# Altium PCB ATM1099C-0627-ssy-5.PcbDoc (part 3 of 4) (continued)
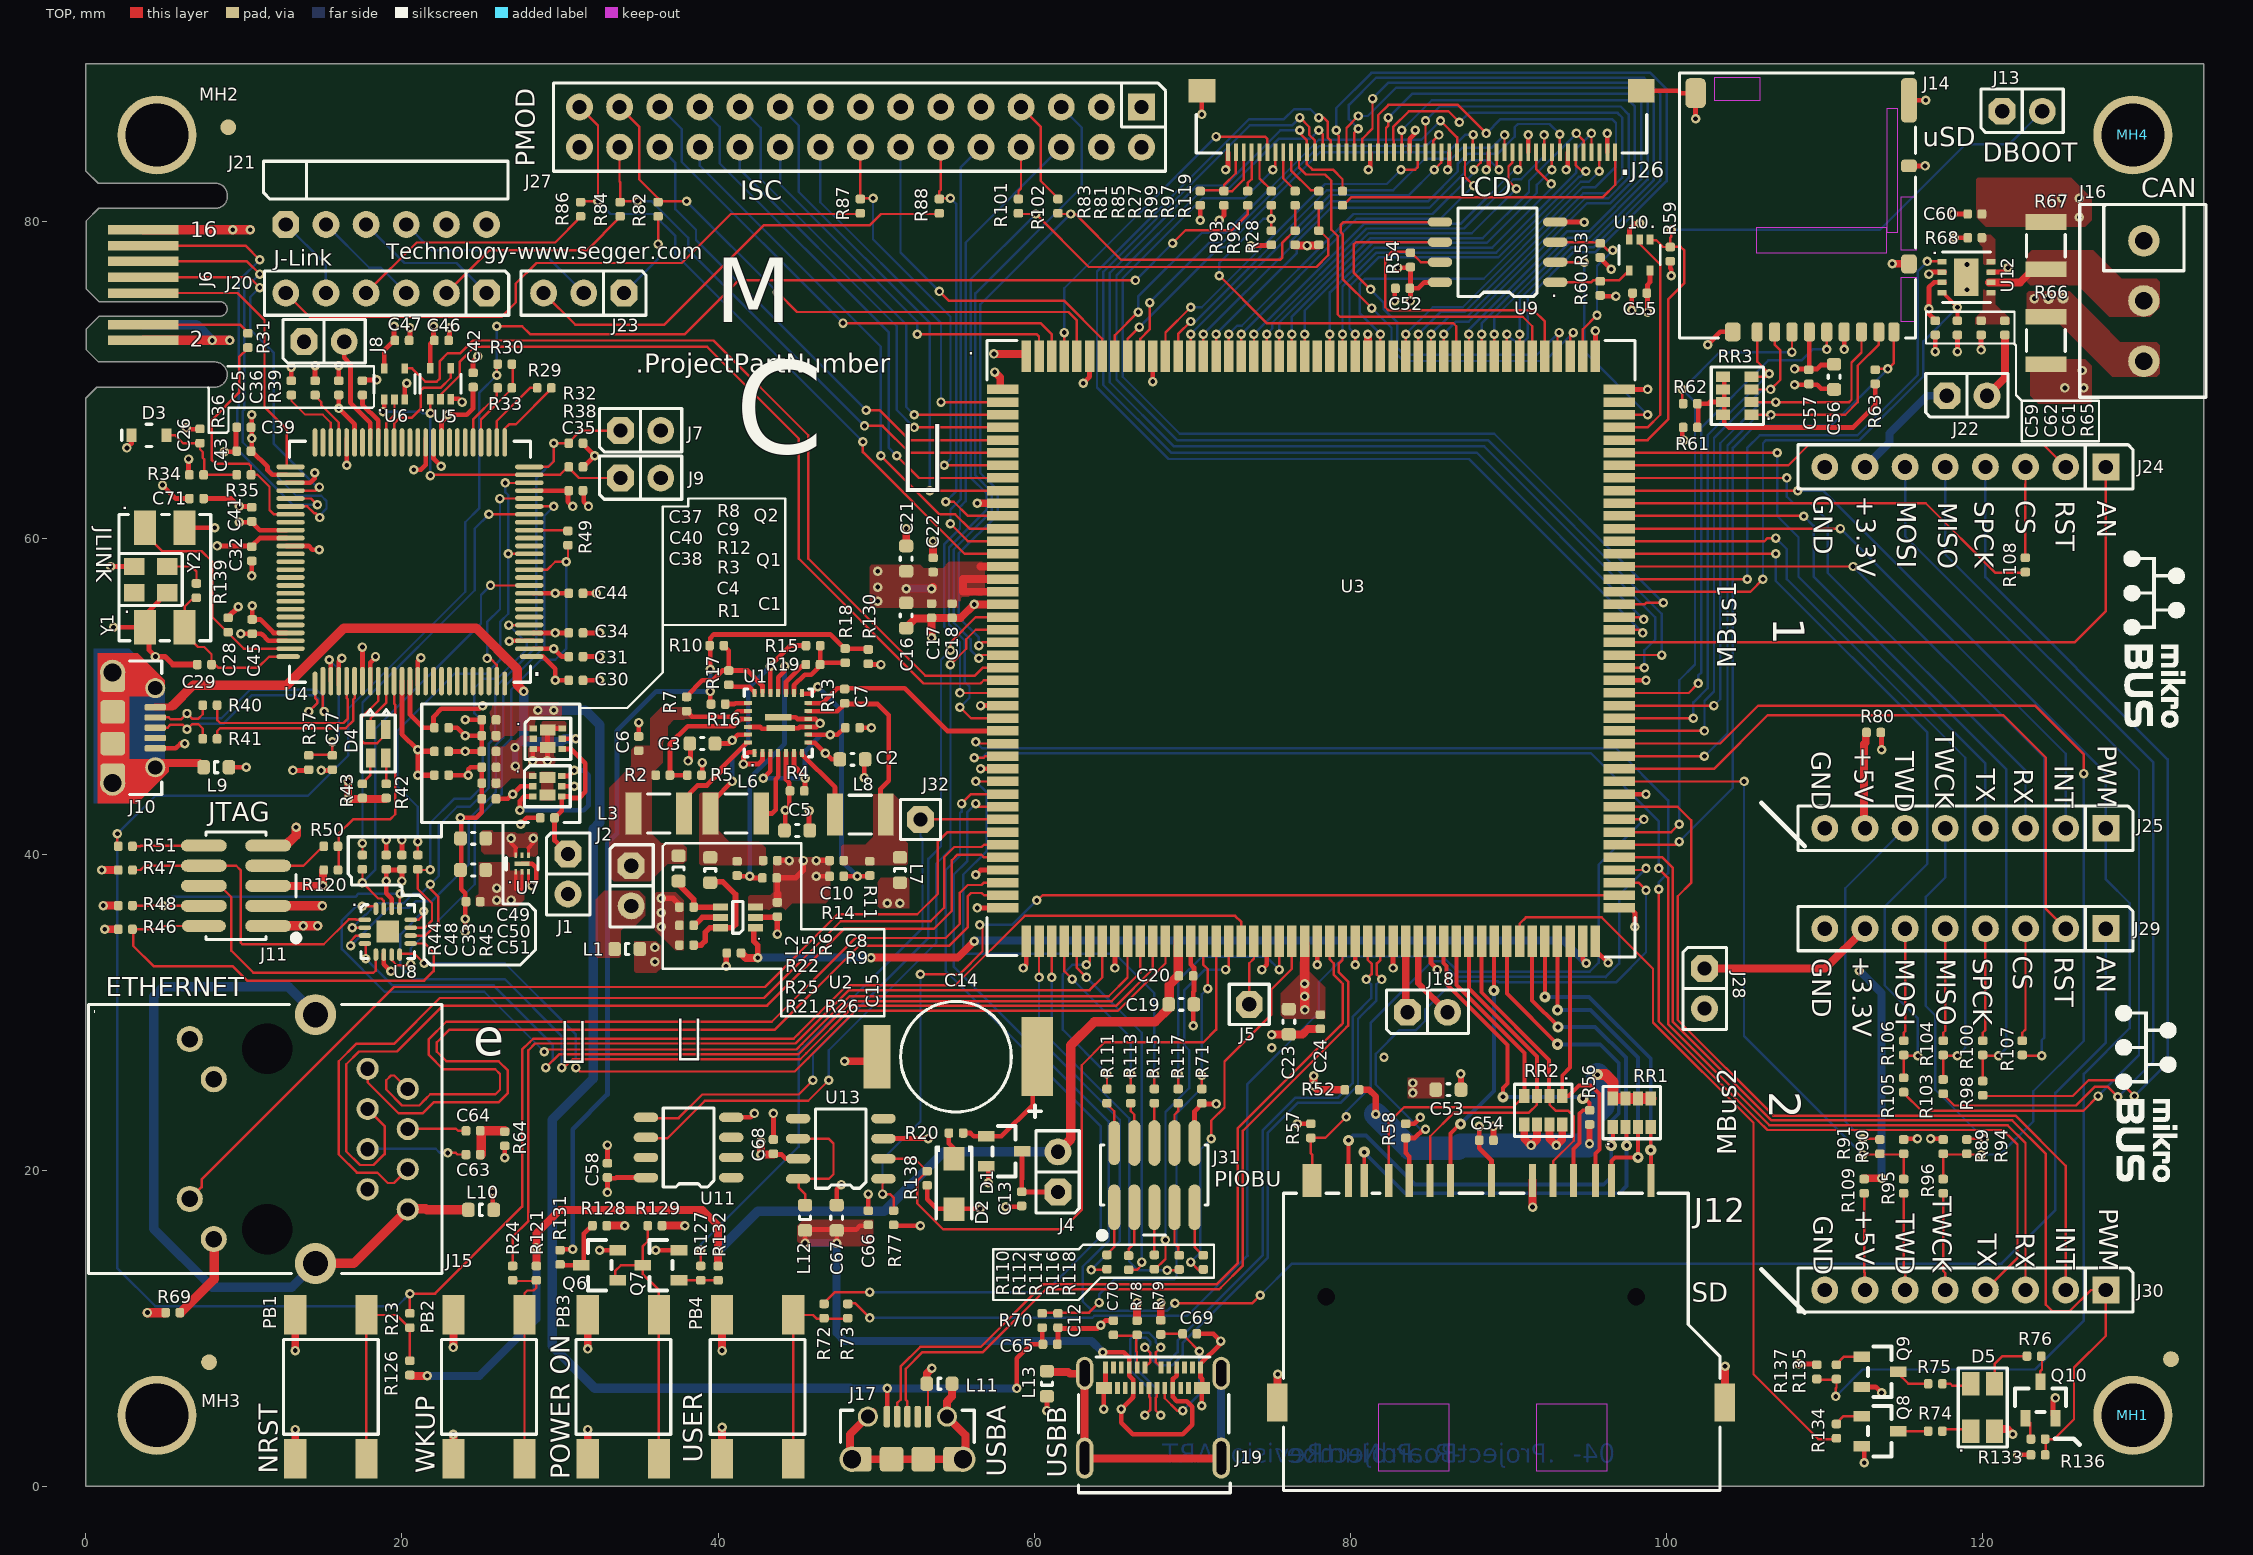
[diagram p0: TOP view]
## Nets (pads, with @x,y where several pads share a name; then routed paths per layer and width w, separated by ;. In a path a pad name is that pad's centre, name@x,y a point inside that pad or via, vN(x,y) a via of type N, cw(c..) or ccw(c..) an arc to the next point about the centre after c; other vN are vias at no path point) (continued)
TDI_3U: J6.8 U4.51 | length 18.3
  TOP w0.152: J6.8@3.625,75.5 9.6,75.5 11.3,73.8 11.3,68.3 12.7,66.9 U4.51@12.7,64.5
TDI_IN: R44.2 U4.10 U8.15 | length 28.1
  TOP w0.152: R44.2@17.5,39.05 v1(17.5,38.2) 18.5,37.2 18.698,37.2 18.85,37.048 U8.15@18.85,36.55 U8.15@18.85,36.5 ; v1(25.6,57) U4.10@28.05,57 U4.10@28.3,57
  BOTTOM w0.152: v1(17.5,38.2) 18.3,39 18.3,47.9 25,54.6 25,56.4 v1(25.6,57)
TDI_OUT: R44.1 U4.19 | length 27.7
  TOP w0.152: R44.1@17.5,39.95 v1(17.5,40.7) ; v1(25.5,61.5) U4.19@28.3,61.5
  BOTTOM w0.152: v1(17.5,40.7) 17.5,49.6 24.6,56.7 24.6,60.6 v1(25.5,61.5)
TDO_3U: J6.10 U4.54 | length 24.6
  TOP w0.152: J6.10@3.625,76.5 10.344,76.5 v1(11,75.844) ; U4.54@12.7,63 14.55,63 v1(14.775,63.225)
  BOTTOM w0.152: v1(11,75.844) 10.4,75.244 10.4,73.2 11.9,71.7 11.9,65.956 14.631,63.225 v1(14.775,63.225)
TDO_IN: U4.20 U8.3 | length 37.2
  TOP w0.152: v1(16.744,34.2) 16.744,34.497 17.097,34.85 U8.3@17.65,34.85 U8.3@17.7,34.85 ; U4.20@28.3,62 v1(29.6,62)
  BOTTOM w0.152: v1(16.744,34.2) 19.139,36.595 20.226,36.595 20.231,36.6 20.452,36.6 20.881,37.029 21.9,37.029 24.229,39.357 24.229,42.229 25.929,43.929 25.929,46.9 26.4,47.371 26.4,50.5 29,53.1 29,61.4 v1(29.6,62)
TMS_3U: J6.14 U4.55 | length 29
  TOP w0.152: J6.14@3.625,78.5 10.1,78.5 v1(11,77.6) ; U4.55@12.7,62.5 U4.55@12.95,62.5 14.25,62.5 v1(14.65,62.1)
  BOTTOM w0.152: v1(11,77.6) 9.79,76.39 9.676,76.276 9.676,68.289 9.571,68.185 9.571,65.629 13.1,62.1 v1(14.65,62.1)
TMS_IN: R49.1 U4.12 U8.7 | length 35.2
  TOP w0.152: U8.7@19.35,33.7 U8.7@19.35,33.65 19.35,33.297 19.673,32.974 20.477,32.974 v1(20.552,33.048) ; U4.12@28.3,58 29.2,58 29.7,58.5 v1(30.4,58.5) 30.5,58.6 R49.1@30.5,59.5
  BOTTOM w0.152: v1(20.552,33.048) 20.552,34.052 24.6,38.1 24.6,42.1 26.3,43.8 26.3,46.7 26.9,47.3 26.9,50.4 28.8,52.3 29.693,52.3 30.4,53.007 v1(30.4,58.5)
TMS_OUT: R49.2 U4.17 | length 2.2
  TOP w0.152: U4.17@28.3,60.5 R49.2@30.5,60.5
TRESOUT: R33.1 U4.30 | length 3.8
  TOP w0.152: U4.30@24.5,66.3 24.5,67.5 26,69 R33.1@26,69.5
TRSTIN: R29.2 U4.26 | length 4.7
  TOP w0.152: U4.26@26.5,66.3 26.5,66.925 26.769,67.194 27.194,67.194 R29.2@29.5,69.5
TRSTOUT: R29.1 U4.27 | length 4.5
  TOP w0.152: U4.27@26,66.3 26,67.4 28.1,69.5 R29.1@28.5,69.5
TWCK_ISC: J27.7 R102.2 | length 6.7
  TOP w0.152: J27.7@59.16,87.27 60.4,86.03 60.4,82.6 R102.2@61.5,81.5
TWCK_LCD: J26.43 R99.2 | length 2.7
  TOP w0.152: J26.43@75.75,84.4 75.75,82.75 R99.2@76.5,82
TWCK_MBUS1: J25.5 R94.2 | length 22.8
  TOP w0.152: R94.2@119,22 v1(120.1,22)
  BOTTOM w0.152: J25.5@117.63,41.64 117.63,38.53 116.4,37.3 116.4,30.4 117,29.8 117,25.1 v1(120.1,22)
TWCK_MBUS2: J30.5 R96.2 | length 6.1
  TOP w0.152: R96.2@117.5,18.5 117.5,13.638 117.63,13.508 J30.5@117.63,12.43
TWD_ISC: J27.8 R101.2 | length 3.3
  TOP w0.152: R101.2@59,81.5 59,81.953 59.16,82.113 J27.8@59.16,84.73
TWD_LCD: J26.42 R97.2 | length 3.4
  TOP w0.152: J26.42@76.25,84.4 76.25,83.25 77.5,82 R97.2@78,82
TWD_MBUS1: J25.6 R91.2 | length 22.8
  TOP w0.152: v1(112.4,22) R91.2@113.5,22
  BOTTOM w0.152: v1(112.4,22) 111.3,23.1 111.3,37.85 J25.6@115.09,41.64
TWD_MBUS2: J30.6 R95.2 | length 6.1
  TOP w0.152: R95.2@115,18.5 115,13.598 115.09,13.508 J30.6@115.09,12.43
TX_3U: U4.41 U6.2 | length 2.7
  TOP w0.152: U4.41@19,66.3 19,67.267 19.525,67.792 U6.2@19.525,68.77
TX_N: J15.2 U3.40 | length 59
  TOP w0.15: J15.2@20.365,25.15 19.515,26 19.3,26 19,25.7 19,25.111 20.006,24.106 21.094,24.106 21.497,24.508 21.497,24.514 21.792,24.808 25.908,24.808 26.2,25.1 26.2,26.1 25.903,26.397 22.603,26.397 21.7,27.3 21.7,28.3 22.803,29.403 43.392,29.403 48.689,34.7 54.4,34.7 55.297,35.597 55.297,37.557 55.792,38.051 56.67,38.051 56.819,38.2 U3.40@58,38.2
TX_P: J15.1 U3.41 | length 59
  TOP w0.15: J15.1@17.825,26.42 17.825,25.575 19.8,23.6 21.3,23.6 22,24.3 26.111,24.3 26.703,24.892 26.703,26.308 26.111,26.9 22.811,26.9 22.203,27.508 22.203,28.092 23.011,28.9 43.6,28.9 48.897,34.197 54.608,34.197 55.8,35.389 55.8,37.348 56,37.548 56.67,37.548 56.819,37.4 U3.41@58,37.4
USBA_N: J17.2 U3.67 | length 50.8
  TOP w0.155: J17.2@51.326,4.417 51.326,5.273 51.54,5.487 51.54,7.589 52.786,8.835 56.614,8.835 60.586,12.807 71.557,12.807 71.661,12.91 72.865,14.115 72.865,22.64 79.415,29.19 79.518,29.293 79.518,31.808 79.415,31.911 78.942,32.385 78.942,33.104 78.7,33.346 U3.67@78.7,34.5
USBA_P: J17.3 U3.68 | length 50.7
  TOP w0.155: J17.3@51.976,4.417 51.976,5.374 51.875,5.475 51.875,7.45 52.925,8.5 56.753,8.5 60.725,12.472 71.696,12.472 71.8,12.575 73.2,13.976 73.2,22.501 79.75,29.051 79.853,29.154 79.853,31.947 79.75,32.05 79.277,32.523 79.277,33.093 79.5,33.317 U3.68@79.5,34.5
USBB_N: J19.A7 J19.B7 U3.70 | length 46.9
  TOP w0.155: v1(67,4.5) 67.334,4.834 67.334,5.603 67.26,5.677 J19.B7@67.26,6.24 ; v1(68,8.8) 67.687,8.487 67.687,7.863 J19.A7@68.01,7.54 ; v1(81,32.075) 81.342,32.417 81.342,33.075 81.1,33.317 U3.70@81.1,34.5
  BOTTOM w0.155: v1(67,4.5) 67.341,4.842 67.341,6.096 66.073,7.365 66.073,9.322 66.486,9.735 67.239,9.735 67.685,9.289 67.685,9.115 v1(68,8.8) 67.725,8.525 67.725,8.225 67.95,8 68.575,8 69.072,8.497 69.072,9.247 74.447,14.622 74.447,22.522 76.525,24.6 79.225,24.6 80.147,25.521 80.147,29.722 80.25,29.825 81.311,30.886 81.311,31.764 v1(81,32.075)
USBB_P: J19.A6 J19.B6 U3.71 | length 47.1
  TOP w0.155: v1(67,8.8) 67.352,8.448 67.352,7.882 J19.A6@67.01,7.54 ; J19.B6@67.76,6.24 67.76,5.677 67.687,5.603 67.687,4.813 v1(68,4.5) ; U3.71@81.9,34.5 81.9,33.317 81.677,33.093 81.677,32.373 v1(81.975,32.075)
  BOTTOM w0.155: v1(68,4.5) 67.676,4.824 67.676,6.235 66.408,7.503 66.408,9.183 66.625,9.4 67.1,9.4 67.35,9.15 67.35,8.975 67.175,8.8 v1(67,8.8) 67.034,8.8 67.39,8.444 67.39,8.086 67.811,7.665 68.714,7.665 69.407,8.358 69.407,9.108 74.782,14.483 74.782,22.383 76.663,24.265 79.364,24.265 80.482,25.382 80.482,29.583 80.585,29.686 81.646,30.747 81.646,31.774 81.947,32.075 v1(81.975,32.075)
USBB_VBUS_5V: C66.1 C67.1 J19.A4 J19.A9 J19.B4 J19.B9 L12.1 | length 46.9
  TOP w0.3: v1(45.5,15.4) L12.1@45.5,16.2 45.5,16.25 C67.1@47.5,16.25 ; v1(47.5,15.4) C67.1@47.5,16.2 C67.1@47.5,16.25 ; C66.1@49.5,16.5 48.973,16.5 48.723,16.25 C67.1@47.5,16.25 ; v1(64.325,8.5) 65.66,8.5 66,8.16 66.01,8.15 J19.A4@66.01,7.54 66.01,7.01 66.015,7.01 66.26,6.765 J19.B9@66.26,6.24 66.26,5.705 66.25,5.695 66.25,5.65 v1(65.5,4.9) 65.5,4.038 66.238,3.3 69.4,3.3 70,3.9 70,4.848 69.998,4.85 69.995,4.853 69.995,5.049 69.644,5.4 69.025,5.4 68.76,5.665 J19.B4@68.76,6.24 68.76,6.81 68.805,6.81 69.01,7.015 J19.A9@69.01,7.54
  BOTTOM w0.5: v1(45.5,15.4) v1(47.5,15.4) 47.5,9.7 48,9.2 63.625,9.2 v1(64.325,8.5)
VBUS_JLINK: C4.1 J10.1 Q1.1 Q2.2 Q2.5 R3.2 R12.1 | length 37
  TOP w0.3: Q2.5@30.14,47.3 v1(31,47.3)
  TOP w0.35: 5.398,49.3 5.477,49.379
  TOP w0.45: J10.1@4.375,49.3 5.398,49.3
  TOP w0.6: 5.477,49.379 6.798,50.7 12.722,50.7 16.322,54.3 24.7,54.3 25.776,53.224 26.2,52.8 27.292,51.708 27.292,50.708 v1(27.7,50.3)
  BOTTOM w0.4: v1(27.175,45.575) 27.175,46.75 v1(27.15,46.75) 27.5,47.1 27.7,47.1
  BOTTOM w0.6: v1(27.7,50.3) 27.7,47.1 30.073,47.1 30.273,47.3 v1(31,47.3)
VBUS_USBA: C9.1 C65.1 J17.1 Q2.1 R8.1 R70.1 | length 82
  TOP w0.3: J17.1@50.7,4.399 v1(50.7,6.2) ; v1(58.9,6.2) 58.9,8.1 59.8,9 60.5,9 R70.1@60.5,10
  BOTTOM w0.5: 48.359,6.2 v1(50.7,6.2) v1(58.9,6.2)
  BOTTOM w0.6: v1(28.6,49.1) v1(29.6,49.1) 31.6,49.1 32.5,48.2 32.5,42 32.1,41.6 32.1,25.8 29.5,23.2 29.5,8.9 32.2,6.2 48.359,6.2
VDD_3V3: C15.1 C52.1 C53.1 C54.1 C55.1 C56.1 C57.1 C58.1 D1.2 D2.1 D5.2 J11.1 J12.4 J14.P4 J21.6 J22.2 J27.1 J27.3 J28.2 L7.2 R46.1 R47.1 R48.1 R53.1 R54.1 R57.1 R58.1 R59.1 R60.1 R61.2 R65.1 R69.1 R78.1 R79.1 R81.1 R89.1 R90.1 R92.1 R93.1 R138.1 U2.2 U9.8 U10.5 U11.8 | length 52.4
  TOP w0.3: v1(33,18.6) 33,19.5 33.527,19.5 33.569,19.542 U11.8@35.433,19.542 ; R138.1@53.25,19 53.225,18.975 53.225,18.175 53.825,17.575 v1(56.575,17.575) ; v1(57.1,19.2) D1.2@57.1,20.25 ; v1(71.7,80.1) 72,80.4 R81.1@72,81 ; v1@76.675,22.975 v1(76.65,22.95) R57.1@77.5,22.95 ; v1(83,77.1) 83.8,77.1 C52.1@83.8,75.8 ; R58.1@83.5,22.95 84.025,22.95 v1(84.425,23.35) ; v1(83.8,75) C52.1@83.8,75.8 ; U9.8@85.664,76.174 84.674,76.174 84.3,75.8 C52.1@83.8,75.8 ; v1(88.15,22.775) C54.1@88.15,21.9 88.15,21.4 88.925,20.625 J12.4@88.925,19.35 ; R60.1@95.8,75.3 v1(96.8,75.3) ; R53.1@95.8,77.7 v1(96.5,77) ; v1(98.8,74.3) 98.8,76.027 98.95,76.177 U10.5@98.95,76.92 U10.5@98.95,76.95 ; R59.1@100.236,77.512 100.236,77.073 100.3,77.009 v1(100.3,76.6) ; R61.2@101,67 101,66.3 v1(101.1,66.2) ; v1(108.1,70.7) 109.527,70.7 109.777,70.95 C56.1@110.6,70.95 ; C57.1@109.034,70.7 J14.P4@109.034,73.044 ; R90.1@115,22 v1(115.871,22) ; v1(116.7,22) R89.1@117.5,22
  TOP w0.35: U2.2@42.25,36 43.75,36 v1(43.75,34.95)
  TOP w0.5: v1(1,39) R47.1@2,39 ; v1(1.1,36.75) R48.1@2,36.75 ; v1(1.2,35.25) R46.1@2,35.25 ; R78.1@66.5,10.5 v1(66.5,11.633) ; R79.1@68,10.5 v1(68,11.633) ; R92.1@76.5,78.5 v1(77.257,78.5) R93.1@78,78.5 ; J22.2@120.27,69 121.4,70.13 R65.1@121.4,72.8 ; D5.2@120.75,3.625 121.575,3.625 v1(121.9,3.3)
  TOP w0.6: v1(3.9,11) R69.1@5,11 ; J11.1@11.535,35.46 v1(13.76,35.46) v1(14.66,35.46)
  other v1: 83.95,24.9 83.95,25.525 50.7,36.9 51.5,36.9
VDD_3V3_3U: C30.1 C31.1 C32.1 C33.1 C34.1 C35.1 C36.1 C37.1 C46.1 C47.1 C48.1 C50.1 C51.1 C71.1 D3.2 J6.16 J8.1 R32.1 R34.1 R36.1 R38.1 R39.1 R42.2 R43.2 U4.1 U4.2 U4.4 U4.22 U4.36 U4.45 U4.53 U4.60 U4.79 U4.88 U5.5 U6.5 U7.1 U7.2 U8.14 Y2.4 | length 65.6
  TOP w0.2: U7.1@27.2,38.875 27.2,37.775 27.6,37.775 U7.2@27.6,38.875
  TOP w0.3: v1(1.575,58.2) Y2.4@3.05,58.2 ; v1(2.6,65.7) 2.885,65.985 D3.2@2.885,66.5 ; v1(4.85,63.35) 5.7,62.5 C71.1@6.5,62.5 ; R34.1@6.5,64 v1(6.5,65) ; v1(8.3,59.5) 10.5,59.5 11,60 U4.60@12.7,60 ; U4.53@12.7,63.5 U4.53@12.95,63.5 14.201,63.5 14.475,63.774 v1(14.475,64.125) ; R36.1@13,70 v1(13,70.8) ; U4.79@16,50.7 U4.79@16,50.95 16,52.2 v1(16.2,52.4) ; C36.1@16,69 v1(16,68.2) 17,67.2 U4.45@17,66.3 ; R39.1@17.5,70 v1(18.4,70) ; U6.5@18.875,70.713 18.875,71.875 19.5,72.5 v1(19.5,73.4) ; U8.14@19.35,36.5 U8.14@19.35,36.55 19.35,37.177 19,37.527 v1(19,38.3) 19,39 20,39 v1(20,38.3) ; U4.88@20.5,50.95 20.5,48.843 21.343,48 22,48 22,48.7 22.5,49.2 24.9,49.2 v1(25.1,49.4) ; v1(20.75,64.325) 21.2,64.325 21.5,64.625 U4.36@21.5,66.05 U4.36@21.5,66.3 ; U5.5@21.79,70.713 21.79,72.29 22,72.5 v1(22,73.4) ; U4.1@28.3,52.5 28.925,52.5 29.7,51.725 v1(29.7,51) C30.1@30.5,51 ; U4.2@28.3,53 v1(29.6,53) 30.1,52.5 C31.1@30.5,52.5 ; U4.4@28.3,54 v1(29.7,54) C34.1@30.5,54 ; U4.22@28.3,63 30.5,63 30.5,62.3 v1(30.8,62) ; R38.1@31.5,64.5 v1(32.2,65.2) 31.5,65.9 R32.1@31.5,66
  TOP w0.5: v1(16.6,44.6) v1(16.6,43.5) R42.2@19,43.5
  TOP w0.6: J6.16@3.625,79.5 v1(9.3,79.5) v1(10.4,79.5)
  other v1: 26,37.1 26.9,37.1 25.992,37.855
VDD_MAIN_5V: C2.1 C3.1 C5.1 C49.1 C59.1 C68.1 J1.2 R4.1 R80.2 R83.1 R109.2 R128.2 R129.1 R130.2 U1.5 U1.8 U1.25 U7.4 U7.6 U12.3 U13.7 | length 39.9
  TOP w0.2: U7.4@28,39.925 28,40.4
  TOP w0.25: v1(26.9,41) 26.9,40.7 27.2,40.4 27.185,40.385 U7.6@27.185,39.925 ; 28,40.4 28.3,40.7 v1(28.3,41)
  TOP w0.3: C3.1@39.75,47 C3.1@39.8,47 40.7,47 v1(40.9,47.2) 41.25,47.55 U1.25@41.95,47.55 ; C68.1@43.5,21 44.027,21 44.289,20.738 U13.7@45.69,20.738 ; C5.1@44.25,41.5 v1(44.25,42.777) 44.5,43.027 44.5,44.527 44.3,44.727 U1.5@44.3,46.45 ; U1.8@45.65,47.05 46.123,47.05 v1(46.786,46.387) 47.173,46 C2.1@47.7,46 C2.1@47.75,46 ; R130.2@49.5,52 v1(50.3,52) ; v1(70.5,80.1) R83.1@70.5,81 ; v1(113.6,46.6) R80.2@113.6,47.7 ; C59.1@117,73.8 116.6,74.2 v1(116.6,74.5) 116.6,75.852 116.923,76.175 U12.3@117.6,76.175
  TOP w0.5: R128.2@33,16.5 v1(34.1,16.5) ; R129.1@36.5,16.5 v1(37.9,16.5) ; v1(42.7,21.8) v1(42.7,21) C68.1@43.5,21 ; R109.2@112.5,19.5 v1(113.6,19.5)
  BOTTOM w0.5: v1(112.2,32.623) 113.6,31.223 v1(113.6,19.5)
VDD_SDHC_1V8: L5.2 R21.1 U2.6 | length 7.3
  TOP w0.35: R21.1@38.45,34.25 38.925,34.25 39.175,34.5 39.175,35.05 39.475,35.35 U2.6@40.15,35.35 40.902,35.35 41.1,35.548 41.1,37.452 40.302,38.25 L5.2@39.5,38.25
VDD_SDHC_3V3: L2.2 R22.1 U2.4 | length 3.7
  TOP w0.35: L2.2@37.5,38.25 37.5,38.1 38.45,37.15 R22.1@38.45,36.65 ; R22.1@38.5,36.65 39.676,36.65 U2.4@40.15,36.65 U2.4@40.25,36.65
VDDBU: C19.1 C20.1 J4.2 R121.1 R126.1 R132.1 U3.55 | length 74
  TOP w0.5: R126.1@20.5,7 v1(21.6,7) ; R121.1@28.5,14 v1(28.5,15.1) 28.5,16 30,17.5 39,17.5 40,16.5 v1(40,14.9) R132.1@40,14
  TOP w0.6: J4.2@61.4,21.17 J4.2@61.5,21.17 62.321,21.991 62.321,27.921 63.8,29.4 67.65,29.4 68.55,30.3 68.55,31.75 69.1,32.3 U3.55@69.1,34.5
  BOTTOM w0.5: v1(21.6,7) 24.9,7 28.5,10.6 v1(28.5,15.1)
  BOTTOM w0.6: v1(40,14.9) 42.5,17.4 50.5,17.4 54.27,21.17 J4.2@61.5,21.17
VDDIN_3V3: C16.1 C17.1 C18.1 C21.1 C22.1 L1.2 U3.15 U3.16 U3.17 | length 9
  TOP w0.5: C16.1@51.9,55.85 C16.1@51.9,55.9 ; C21.1@51.9,57.9 C21.1@51.9,57.95 ; v1(53.5,56.8) v1@53.6,56.9 ; 56.6,58.2 U3.15@58,58.2 ; U3.17@58,56.6 55.5,56.6 55.5,57.4 U3.16@58,57.4
  BOTTOM w0.5: v1(51.9,56.8) v1(53.5,56.8)
  other v1: 36,33.2 36,34.1 50.1,56 50.1,56.9 50.1,57.9
VDDOUT: C38.1 C39.1 C40.1 C41.1 C42.1 C43.1 C44.1 C45.1 U4.9 U4.34 U4.52 U4.59 U4.73 U4.83 U4.87 | length 28.8
  TOP w0.3: v1(9.7,61) 10.5,61 11,60.5 U4.59@12.7,60.5 ; v1(9.8,53.95) 11.1,53.95 11.15,53.9 11.55,53.5 U4.73@12.7,53.5 ; v1(10.5,67.8) v1(10.5,66.3) 10.5,65.5 11.5,64.5 11.5,64.3 11.8,64 U4.52@12.7,64 ; U4.83@18,50.7 U4.83@18,50.95 18,52.125 18.325,52.45 v1(18.325,52.5) ; U4.87@20,50.95 20,47.6 v1(21,46.6) v1(21,45) ; U4.34@22.5,66.3 22.5,67.327 22.9,67.727 v1(22.9,67.8) 24.1,67.8 24.5,68.2 C42.1@24.5,69.5 ; U4.9@28.3,56.5 v1(29.7,56.5) C44.1@30.5,56.5
  TOP w0.35: v1(21,45) C38.1@22,45 ; v1(21,46.6) 21.1,46.5 C40.1@22,46.5
VDDSDHC: C23.1 C24.1 R21.2 R22.2 R25.2 R52.1 U3.65 | length 8.5
  TOP w0.35: v1(36.4,37.2) 37.15,37.2 37.5,36.85 R22.2@37.5,36.5
  TOP w0.5: v1(77.675,25.975) v1(77.675,25.35) 77.925,25.1 R52.1@79.65,25.1
  TOP w0.6: U3.65@77.1,34.35 v1(77.1,31.8) v1(77.1,31) 77.1,30.175 v1(77.125,30.15)
  other v1: 36.4,35.4 36.4,36.3
VOUT1: C6.1 J2.1 L2.1 L3.2 R2.1 R7.1 U1.22 | length 4.3
  TOP w0.3: R7.1@38,49 R7.1@38,49.05 38.348,48.702 40.902,48.702 41.25,49.05 U1.22@41.95,49.05
VOUT2: C8.1 L5.1 L6.2 R6.1 R15.2 U1.18 | length 15.6
  TOP w0.3: L6.2@39.525,42.5 39.525,43.425 39.725,43.425 v1(40.9,44.6) ; U1.18@43.3,50.15 v1(43.3,51.9) 43.3,51.919 44.578,53.197 R15.2@45.557,53.197
  BOTTOM w0.3: v1(40.9,44.6) 40.9,46.1 41.9,47.1 41.9,50.5 v1(43.3,51.9)
VOUT3: C10.1 L7.1 L8.2 R11.1 R13.1 U1.12 | length 12.1
  TOP w0.3: U1.12@45.65,49.05 47.55,49.05 48,49.5 50.1,49.5 50.8,48.8 50.8,44.652 50.275,44.127 L8.2@50.275,42.5
WKUP: R24.1 U3.49 | length 54.5
  TOP w0.152: R24.1@27,14 27,15.8 28,16.8 28,27.6 28.426,28.026 44.902,28.026 48.276,31.4 63.5,31.4 64.3,32.2 U3.49@64.3,34.5
XIN: C29.1 R139.2 U4.75 Y1.3 | length 10.6
  TOP w0.152: R139.2@7,56.22 6.816,56.22 6.25,55.653 Y1.3@6.25,54.35 6.25,53.95 7.094,53.106 7.494,53.106 7.95,52.65 7.95,52.22 8.37,51.8 10.9,51.8 11.6,52.5 U4.75@12.7,52.5
XOUT: C28.1 U4.74 Y1.1 | length 14.4
  TOP w0.152: Y1.1@3.75,60.65 3.75,60.25 4.825,59.175 7.325,59.175 8,58.5 8,55 8.975,54.025 10,53 U4.74@12.7,53
pads on no net: J6.1 J6.7 J6.9 J6.11 J6.13 J6.15 J10.4 J12.A J12.B J15.7 J15.9 J15.10 J15.MH1 J15.MH2 J17.4 J19.A2 J19.A3 J19.A8 J19.A10 J19.A11 J19.B2 J19.B3 J19.B8 J19.B10 J19.B11 MH2.MH U3.129 U3.147 U3.153 U4.6 U4.7 U4.8 U4.11 U4.13 U4.15 U4.16 U4.18 U4.28 U4.31 U4.32 U4.33 U4.37 U4.38 U4.39 U4.44 U4.49 U4.50 U4.58 U4.62 U4.63 U4.64 U4.65 U4.66 U4.67 U4.68 U4.69 U4.70 U4.71 U4.90 U4.91 U4.92 U4.93 U4.94 U4.95 U4.96 U4.97 U4.98 U4.100 U7.5 U8.17 U11.1 U11.2 U11.3 U11.7 U13.4 U13.5 Y2.1
copper on no net: | length 0
  TOP w0.15: 121.98,72.3 121.99,72.3

## Polygon pours and split planes (outlines as drawn)
VDD_3V3 on TOP "full" (solid, pour order 20): 83.614,25.85 83.614,24.575 85.95,24.575 85.95,25.85
VDDIN_3V3 on TOP "full" (solid, pour order 46): 34.7,34.5 36.1,34.5 36.4,34.2 36.4,32.8 36.1,32.5 34.8,32.5 34.7,32.6 34.7,34.5
VDDIN_3V3 on TOP "full" (solid, pour order 44): 31 vertices, not listed, extent 49.6,55.6 56.873,58.5
VOUT2 on TOP "full" (solid, pour order 42): 38.8,43.8 38.8,39.4 38.9,39.3 42.9,39.3 43,39.4 43,40.4 42.6,40.8 40.7,40.8 40,41.5 40,43.8 39.9,43.9 38.9,43.9 38.8,43.8
VOUT1 on TOP "full" (solid, pour order 40): 30 vertices, not listed, extent 33.1,38.3 38.3,49.3
NetJ2_2 on TOP "full" (solid, pour order 38): 32.45,37.35 32.25,37.15 32.25,33.55 32.35,33.45 33.75,33.45 33.85,33.55 33.85,35.15 34.1,35.4 34.7,35.4 35.4,36.1 35.4,37.3 35,37.7 32.8,37.7 32.45,37.35
VDDSDHC on TOP "full" (solid, pour order 36): 76.9,34.8 76.9,33.8 76.8,33.7 76.8,32.4 75.6,31.2 75.6,29.8 75.825,29.575 78.412,29.575 78.412,31.588 77.3,32.7 77.3,33.3 77.3,34.9 77.2,35 77.1,35
VDDSDHC on TOP "full" (solid, pour order 34): 37.825,33.925 37.825,37.075 37.3,37.6 36.4,37.6 36.1,37.6 36,37.5 36,35.2 37.1,34.1 37.275,33.925
NetC61_1 on TOP "full" (solid, pour order 32): 120,75.803 120,74.4 119.54,73.94 119.54,73.517 121.699,73.517 121.699,73.901 120.8,74.8 120.8,75.803
NetR68_1 on TOP "full" (solid, pour order 30): 119.8,79.2 120.5,79.2 120.8,78.9 120.8,77.4 120.7,77.3 120.1,77.3 120,77.4 120,78.4 119.8,78.6 119.8,79.2
NetC60_1 on TOP "full" (solid, pour order 28): 123,71.3 123,69 123.5,68.5 126.8,68.5 126.9,68.6 126.9,70.9 126.5,71.3 123,71.3
NetC60_1 on TOP "full" (solid, pour order 26): 119.6,82.7 119.6,80.3 120.2,79.7 126.5,79.7 126.9,80.1 126.9,81.5 125.6,82.8 119.7,82.8 119.6,82.7
NetJ16_2 on TOP "full" (solid, pour order 24): 122.8,77.9 122.8,76.2 123,76 126,76 128,74 130.6,74 131.2,74.6 131.2,76.2 131,76.4 128.8,76.4 127,78.2 123.1,78.2 122.8,77.9
NetJ16_3 on TOP "full" (solid, pour order 22): 122.8,73.6 122.8,75.5 122.9,75.6 125.1,75.6 125.5,75.6 127.4,73.7 128.7,72.4 131,72.4 131.2,72.2 131.2,70.4 131,70.2 128.2,70.2 126.7,71.7 124.8,73.6 122.8,73.6
VDD_3V3 on TOP "full" (solid, pour order 18): 51.1,38.5 52,38.5 52.1,38.4 52.1,36.8 52.1,36.6 52,36.5 50.3,36.5 50.1,36.7 50.1,38.3 50.3,38.5 51.1,38.5
VBUS_USBA on TOP "full" (solid, pour order 16): 18 vertices, not listed, extent 25.56,47.101 30.1,49.6
NetQ1_2 on TOP "full" (solid, pour order 14): 19 vertices, not listed, extent 28,45.6 30.4,48.4
VDD_MAIN_5V on TOP "full" (solid, pour order 12): 18 vertices, not listed, extent 25,39.8 28.6,41.5
NetQ1_7 on TOP "full" (solid, pour order 10): 28.7,43.4 28.7,44.5 28.8,44.5 28.8,45.2 29.7,45.2 29.7,43.4 28.7,43.4
VDD_3V3_3U on TOP "full" (solid, pour order 8): 24.671,36.763 24.671,37.324 24.849,37.502 24.849,39.504 26.726,39.504 26.751,39.503 27.028,39.226 27.028,39.101 27.153,39.101 27.25,39.004 27.75,39.004 27.75,37.104 27.35,36.704 24.73,36.704
USBB_VBUS_5V on TOP "full" (solid, pour order 6): 45,16.5 45,15.5 45.3,15.2 49.539,15.2 49.817,15.478 49.817,16.875 45.375,16.875
GND_POWER on TOP "full" (solid, pour order 4): 47,39.8 47.1,39.7 47.1,37.2 46.8,36.9 44.7,36.9 44.2,36.4 41.9,36.4 41.9,37.3 42,37.4 43.3,37.4 43.5,37.6 43.5,39.7 43.6,39.8
VOUT3 on TOP "full" (solid, pour order 2): 18 vertices, not listed, extent 47.8,39.3 52,43.8
VBUS_JLINK on TOP "full" (solid, pour order 0): 17 vertices, not listed, extent 25.687,44.18 28.5,47.5
VDDIN_3V3 on BOTTOM "full" (solid, pour order 56): 250 vertices, not listed, extent 35,32.1 53.9,58.6
NetC60_1 on BOTTOM "full" (solid, pour order 54): 124.2,82.4 124.2,80.2 126,78.4 126,72.8 124.5,71.3 124.5,68.7 124.6,68.6 127.4,68.6 128.1,69.3 128.1,80.3 125.8,82.6 124.4,82.6 124.2,82.4
NetJ16_3 on BOTTOM "full" (solid, pour order 52): 121.2,77.6 121.2,75.6 122.1,74.7 125.4,74.7 125.4,77 124.7,77.7 121.3,77.7 121.2,77.6
NetQ1_2 on BOTTOM "full" (solid, pour order 50): 18 vertices, not listed, extent 26.7,43.5 31.497,46.2
USBB_VBUS_5V on BOTTOM "full" (solid, pour order 48): 102 vertices, not listed, extent 45.2,4.2 66,16
no net on 3D BOT (M12) (solid): 42.882,31.208 39.088,24.594 46.713,24.592 42.882,31.208
no net on 3D BOT (M12) (solid): 74.568,49.068 74.568,53.132 78.632,53.132 78.632,49.068 74.568,49.068
GND_POWER on GND (split plane): 216 vertices, not listed, extent 0.51,0.51 133.49,89.49
NetR52_2 on POWER (split plane): 40 vertices, not listed, extent 90.752,21.252 99.248,28.248
VDDSDHC on POWER (split plane): 72 vertices, not listed, extent 35.752,24.752 78.248,40.748
VDD_MAIN_5V on POWER (split plane): 304 vertices, not listed, extent 25.252,15.752 120.748,82.248
VDD_3V3_3U on POWER (split plane): 290 vertices, not listed, extent 0.51,31.252 35.998,89.49
VDDOUT on POWER (split plane): 197 vertices, not listed, extent 9.252,43.752 30.748,69.248
VDD_3V3 on POWER (split plane): 354 vertices, not listed, extent 0.51,0.51 133.49,89.49

## Keep-outs
Keep-Out Layer:
  text ".Layer_Name" at 304.5,-129.75 h1.5

## Other copper
TOP:
  region net EARTH0: 0.75,50.6 2.65,50.6 2.65,52.2 2.648,52.244 2.642,52.287 2.633,52.329 2.62,52.371 2.603,52.411 2.583,52.45 2.56,52.487 2.533,52.521 2.504,52.554 2.471,52.583 2.437,52.61 2.4,52.633 2.361,52.653 2.321,52.67 2.279,52.683 2.237,52.692 2.194,52.698 2.15,52.7 1.25,52.7 1.206,52.698 1.163,52.692 1.121,52.683 1.079,52.67 1.039,52.653 1,52.633 0.963,52.61 0.929,52.583 0.896,52.554 0.867,52.521 0.84,52.487 0.817,52.45 0.797,52.411 0.78,52.371 0.767,52.329 0.758,52.287 0.752,52.244 0.75,52.2 0.75,50.6
  region net EARTH0: 2.65,45.4 0.75,45.4 0.75,43.8 0.752,43.756 0.758,43.713 0.767,43.671 0.78,43.629 0.797,43.589 0.817,43.55 0.84,43.513 0.867,43.479 0.896,43.446 0.929,43.417 0.963,43.39 1,43.367 1.039,43.347 1.079,43.33 1.121,43.317 1.163,43.308 1.206,43.302 1.25,43.3 2.15,43.3 2.194,43.302 2.237,43.308 2.279,43.317 2.321,43.33 2.361,43.347 2.4,43.367 2.437,43.39 2.471,43.417 2.504,43.446 2.533,43.479 2.56,43.513 2.583,43.55 2.603,43.589 2.62,43.629 2.633,43.671 2.642,43.713 2.648,43.756 2.65,43.8 2.65,45.4
  region net EARTH0: 0.75,52.725 3.275,52.725 5,51 5,50.525 4.475,50 2.75,50 2.75,46 5.25,46 5.25,45.225 3.25,43.225 0.75,43.225
  text ".ProjectRevisionART" at 339.678,-129.572 h1.5
  text ".Layer_Name" at 304.5,-129.75 h1.5
BOTTOM:
  pour cut-out: 44.211,34.95 44.176,35.127 44.076,35.276 43.927,35.376 43.75,35.411 43.573,35.376 43.424,35.276 43.324,35.127 43.289,34.95 43.324,34.773 43.424,34.624 43.573,34.524 43.75,34.489 43.927,34.524 44.076,34.624 44.176,34.773 44.211,34.95
  pour cut-out: 50.761,52 50.726,52.177 50.626,52.326 50.477,52.426 50.3,52.461 50.123,52.426 49.974,52.326 49.874,52.177 49.839,52 49.874,51.823 49.974,51.674 50.123,51.574 50.3,51.539 50.477,51.574 50.626,51.674 50.726,51.823 50.761,52
  pour cut-out: 64.861,4.9 64.826,5.077 64.726,5.226 64.577,5.326 64.4,5.361 64.223,5.326 64.074,5.226 63.974,5.077 63.939,4.9 63.974,4.723 64.074,4.574 64.223,4.474 64.4,4.439 64.577,4.474 64.726,4.574 64.826,4.723 64.861,4.9
  region net EARTH0: 0.5,53 2.75,53 5,50.75 5,46 5,45.225 3,43.225 0.5,43.225
  text ".ProjectRevisionART" at 84.5,1.5 h1.2
  text "-R" at 87,1.5 h1.2
  text ".ProjectBoardNumber" at 93,1.5 h1.2
  text "04-" at 96.75,1.5 h1.2
  text ".ProjectRevisionART" at 339.678,-129.572 h1.5
  text ".ProjectRevisionART" at 339.678,-129.572 h1.5
  text ".ProjectRevisionART" at 339.678,-129.572 h1.5
  text ".Layer_Name" at 304.5,-129.75 h1.5
GND (plane layer: these items are gaps in the copper):
  lines w0.254: 0.363,68.638 0.363,0.5 0.403,0.403 0.5,0.363 133.5,0.363 133.597,0.403 133.637,0.5 133.637,89.5 133.597,89.597 133.5,89.637 0.5,89.637 0.403,89.597 0.363,89.5 0.363,83.352 0.403,83.255 ; 0.363,68.638 0.363,68.638 ; 0.363,68.638 0.403,68.735 0.885,69.217 ; 0.363,73.056 0.363,72.102 0.403,72.005 ; 0.363,73.056 0.363,73.056 ; 0.363,73.056 0.403,73.153 0.885,73.635 ; 0.363,75.934 0.391,75.866 0.403,75.837 ; 0.363,75.934 0.363,75.934 ; 0.363,75.934 0.363,79.888 ; 0.363,79.888 0.363,79.888 ; 0.363,79.888 0.403,79.985 0.885,80.467 ; 0.403,72.005 0.885,71.523 0.982,71.483 ; 0.403,72.005 0.403,72.005 ; 0.403,75.837 0.885,75.355 0.982,75.315 ; 0.403,75.837 0.403,75.837 ; 0.403,83.255 0.885,82.773 0.982,82.733 ; 0.403,83.255 0.403,83.255 ; 0.885,69.217 0.885,69.217 ; 0.885,69.217 0.982,69.257 8.262,69.257 8.362,69.261 8.458,69.274 8.553,69.295 8.646,69.324 8.735,69.361 8.821,69.406 8.903,69.458 8.98,69.518 9.052,69.583 9.117,69.655 9.177,69.732 9.229,69.814 9.274,69.9 9.311,69.989 9.34,70.082 9.361,70.177 9.374,70.273 9.378,70.37 9.374,70.467 9.361,70.563 9.34,70.658 9.311,70.751 9.274,70.84 9.229,70.926 9.177,71.008 9.117,71.085 9.052,71.157 8.98,71.222 8.903,71.282 8.821,71.334 8.735,71.379 8.646,71.416 8.553,71.445 8.458,71.466 8.362,71.479 8.262,71.483 0.982,71.483 ; 0.885,73.635 0.885,73.635 ; 0.885,73.635 0.982,73.675 8.44,73.675 8.514,73.678 8.585,73.688 8.655,73.703 8.723,73.725 8.789,73.752 8.853,73.785 8.913,73.823 8.97,73.867 9.023,73.915 9.071,73.968 9.115,74.025 9.153,74.085 9.186,74.149 9.213,74.215 9.235,74.283 9.25,74.353 9.26,74.424 9.263,74.498 9.26,74.571 9.25,74.641 9.235,74.711 9.214,74.779 9.186,74.844 9.154,74.907 9.115,74.967 9.072,75.024 9.024,75.076 8.972,75.124 8.915,75.167 8.855,75.206 8.792,75.238 8.727,75.266 8.659,75.287 8.589,75.302 8.519,75.312 8.445,75.315 0.982,75.315 ; 0.885,80.467 0.885,80.467 ; 0.885,80.467 0.982,80.507 8.262,80.507 8.362,80.511 8.458,80.524 8.553,80.545 8.646,80.574 8.735,80.611 8.821,80.656 8.903,80.708 8.98,80.768 9.052,80.833 9.117,80.905 9.177,80.982 9.229,81.064 9.274,81.15 9.311,81.239 9.34,81.332 9.361,81.427 9.374,81.523 9.378,81.62 9.374,81.717 9.361,81.813 9.34,81.908 9.311,82.001 9.274,82.09 9.229,82.176 9.177,82.258 9.117,82.335 9.052,82.407 8.98,82.472 8.903,82.532 8.821,82.584 8.735,82.629 8.646,82.666 8.553,82.695 8.458,82.716 8.362,82.729 8.262,82.733 0.982,82.733 ; 0.982,71.483 0.982,71.483 ; 0.982,75.315 0.982,75.315 ; 0.982,82.733 0.982,82.733
  text ".Layer_Name" at 304.5,-129.75 h1.5